# KiCad board Karnix_ASB.kicad_pcb (continued)
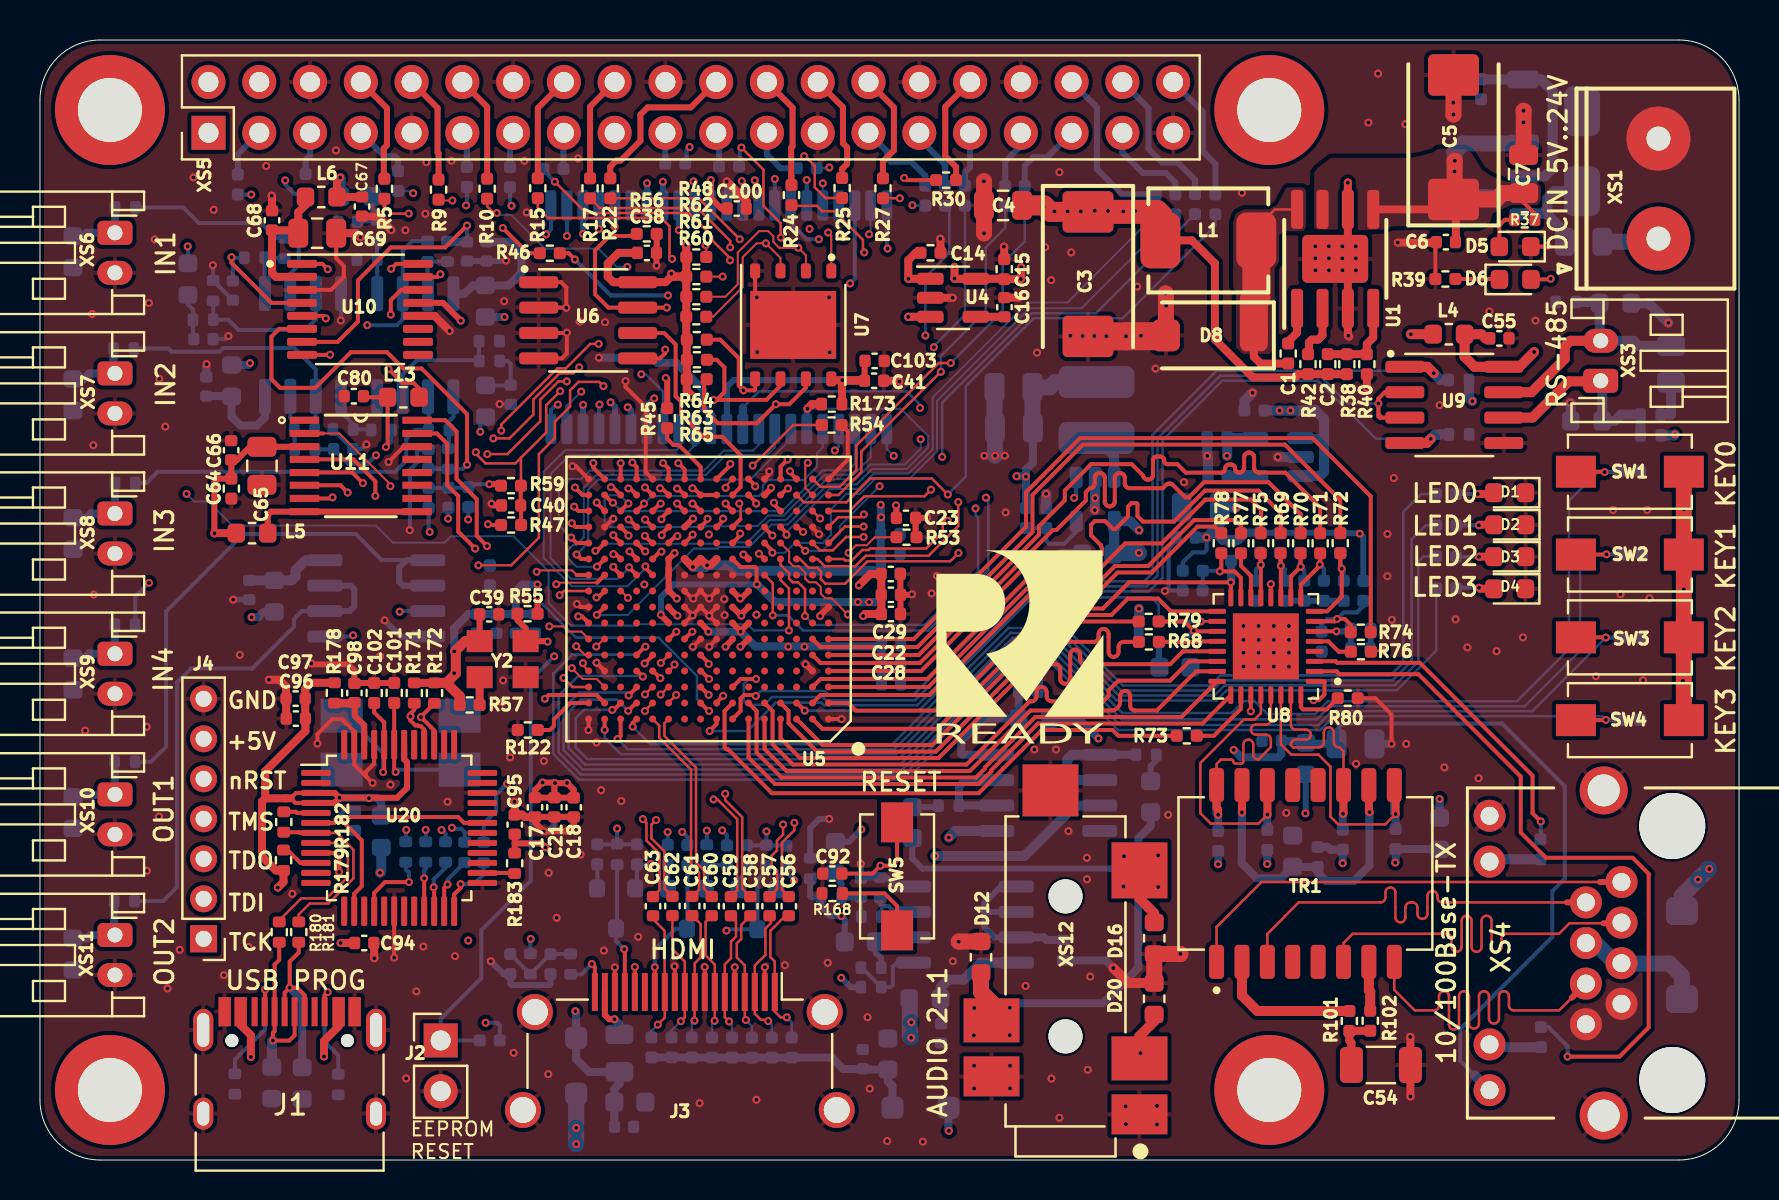
[diagram p0: board, top side]
## Nets (continued)
Net-(D4-A): D4.2 R20.2
Net-(D5-A): D5.2 R37.2
Net-(D6-K): D6.1 R39.1
Net-(D7-A): D7.2 Q1.1 R41.1
Net-(D8-K): C1.2 D8.1 L1.2 U1.8
Net-(D9-A): D9.2 F1.1 Q1.2
Net-(D23-A): D23.2 XS4.4 XS4.5
Net-(D28-A): D28.2 J1.A7 J1.B7 R180.1
Net-(D29-A): D29.2 J1.A6 J1.B6 R181.1
Net-(J1-CC1): J1.A5 R176.1
Net-(J1-CC2): J1.B5 R174.1
Net-(J3-+5V): F2.2 J3.18
Net-(J3-CK+): C62.2 J3.10 R111.2
Net-(J3-CK-): C63.2 J3.12 R110.2
Net-(J3-D0+): C60.2 J3.7 R113.2
Net-(J3-D0-): C61.2 J3.9 R112.2
Net-(J3-D1+): C58.2 J3.4 R115.2
Net-(J3-D1-): C59.2 J3.6 R114.2
Net-(J3-D2+): C56.2 J3.1 R117.2
Net-(J3-D2-): C57.2 J3.3 R116.2
Net-(J3-HPD/HEAC-): J3.19 R121.2
Net-(L17-Pad1): L17.1 R96.1 R97.1 R98.1 R99.1 R100.1
Net-(Q2-G): Q2.1 R120.2
Net-(Q2-S): Q2.2 R154.2 R155.1
Net-(Q3-G): Q3.1 R118.2
Net-(Q4-G): Q4.1 R161.2
Net-(R101-Pad1): R101.1 TR1.2
Net-(R102-Pad1): R102.1 TR1.7
Net-(R103-Pad2): R103.2 XS4.12
Net-(R106-Pad1): R106.1 R107.1
Net-(R123-Pad1): R123.1 R125.2 U12.1
Net-(R124-Pad1): R124.1 R126.2 U13.1
Net-(R135-Pad1): R135.1 R139.2 U12.7
Net-(R136-Pad1): R136.1 R140.2 U13.7
Net-(R147-Pad1): R147.1 R148.2 U16.1
Net-(R168-Pad1): R168.1 SW5.2
Net-(TR1-Pad1): TR1.1 XS4.1
Net-(TR1-Pad3): TR1.3 XS4.2
Net-(TR1-Pad6): TR1.6 XS4.3
Net-(TR1-Pad8): TR1.8 XS4.6
Net-(U1-BOOT): C1.1 U1.1
Net-(U1-FB): C2.2 R38.2 R40.1 U1.4
Net-(U2-FB): R43.2 R44.1 U2.5
Net-(U2-SW): L2.1 U2.3
Net-(U3-BP): C13.1 U3.4
Net-(U4-BP): C16.1 U4.4
Net-(U5B-PT38A): R55.1 U5.B9
Net-(U5G-CFG_0): R54.1 U5.N10
Net-(U5G-CFG_1): R48.2 U5.P10
Net-(U5G-CFG_2): R53.1 U5.R10
Net-(U5G-DONE): R46.2 U5.P9
Net-(U5G-INITN): R45.2 U5.T9
Net-(U8-CRS): R77.2 U8.14
Net-(U8-LED1/~{REGOFF}): R81.1 U8.3
Net-(U8-nRST): C48.1 R79.2 R88.2 U8.19
Net-(U8-RBIAS): R80.1 U8.32
Net-(U8-RXDV): R73.2 U8.26
Net-(U8-TXCLK): R68.2 U8.20
Net-(U8-VDDCR): C44.1 C45.1 U8.6
Net-(U8-XTAL1/CLKIN): R76.1 U8.5
Net-(U9-VCC): C55.1 L4.1 R105.1 U9.8
Net-(U10-VA): C68.1 C69.1 L6.1 U10.2
Net-(U11-VREFABCD): L5.2 U11.8 U11.9
Net-(U12A-+): R131.2 R133.2 U12.3
Net-(U12A--): R123.2 R129.2 U12.2
Net-(U12B-+): R143.2 R145.2 U12.5
Net-(U12B--): R135.2 R141.2 U12.6
Net-(U12C-V+): C70.1 L7.1 U12.8
Net-(U13A-+): R132.2 R134.2 U13.3
Net-(U13A--): R124.2 R130.2 U13.2
Net-(U13B-+): R144.2 R146.2 U13.5
Net-(U13B--): R136.2 R142.2 U13.6
Net-(U13C-V+): C71.1 L8.1 U13.8
Net-(U14A--): R127.2 U14.1 U14.2
Net-(U14B--): R137.2 U14.6 U14.7
Net-(U14C-V+): C72.1 L9.1 U14.8
Net-(U15A--): R128.2 U15.1 U15.2
Net-(U15B--): R138.2 U15.6 U15.7
Net-(U15C-V+): C73.1 L10.1 U15.8
Net-(U16A-+): R150.2 R151.2 U16.3
Net-(U16A--): C85.2 R147.2 U16.2
Net-(U16B-+): R156.2 U16.5 U16.6 U16.7
Net-(U16C-V+): C84.1 L15.1 U16.8
Net-(U20-3V3OUT): C99.1 U20.6 U20.14 U20.31
Net-(U20-ADBUS0): R163.1 U20.24
Net-(U20-ADBUS1): R164.1 U20.23
Net-(U20-ADBUS2): R165.1 U20.22
Net-(U20-ADBUS3): R167.1 U20.21
Net-(U20-ADBUS7): R166.1 U20.16
Net-(U20-AVCC): C98.1 R178.2 U20.46
Net-(U20-SI/WU_A): R179.1 U20.10
Net-(U20-SI/WU_B): R183.1 U20.26
Net-(U20-XTIN): C101.1 U20.43 Y1.1
Net-(U20-XTOUT): C102.1 U20.44 Y1.3
Net-(U20-~{RSTOUT}): R182.2 U20.5
Net-(XS5-Pin_3): R3.1 XS5.3
Net-(XS5-Pin_5): R4.2 XS5.5
Net-(XS5-Pin_7): R6.1 XS5.7
Net-(XS5-Pin_8): R5.1 XS5.8
Net-(XS5-Pin_10): R9.2 XS5.10
Net-(XS5-Pin_11): R11.1 XS5.11
Net-(XS5-Pin_12): R10.2 XS5.12
Net-(XS5-Pin_13): R12.1 XS5.13
Net-(XS5-Pin_15): R16.1 XS5.15
Net-(XS5-Pin_16): R15.1 XS5.16
Net-(XS5-Pin_18): R17.1 XS5.18
Net-(XS5-Pin_19): R18.1 XS5.19
Net-(XS5-Pin_21): R21.2 XS5.21
Net-(XS5-Pin_22): R22.1 XS5.22
Net-(XS5-Pin_23): R23.2 XS5.23
Net-(XS5-Pin_24): R24.1 XS5.24
Net-(XS5-Pin_26): R25.2 XS5.26
Net-(XS5-Pin_27): R26.1 XS5.27
Net-(XS5-Pin_28): R27.2 XS5.28
Net-(XS5-Pin_29): R28.2 XS5.29
Net-(XS5-Pin_31): R29.1 XS5.31
Net-(XS5-Pin_32): R30.1 XS5.32
Net-(XS5-Pin_33): R31.2 XS5.33
Net-(XS5-Pin_35): R33.2 XS5.35
Net-(XS5-Pin_36): R32.1 XS5.36
Net-(XS5-Pin_37): R34.2 XS5.37
Net-(XS5-Pin_38): R35.2 XS5.38
Net-(XS5-Pin_40): R36.2 XS5.40
Net-(Y2-EN): R57.2 Y2.1

Pads without a net: J1 A8 B8; J3 14; TR1 4 5 12 13; U5 A9 A10 B10 C3 C4 C5 C6 C8 C10 C14 D3 D4 D5 D6 D7 D8 D10 D14 E3 E4 E5 E6 E7 E8 E10 E14 E15 F3 F4 F5 F12 F13 F14 G1 G2 G3 G4 G5 G12 G13 G14 G15 H2 H3 H4 H5 H12 H13 H14 J1 J2 J3 J4 J5 J12 J13 K1 K2 K3 M6 M8 M9 N6 P3 P5 P6 P8; U8 4; U10 9 10 11; U11 1 10 11 12 13; U20 1 2 11 12 13 15 17 19 20 27 28 29 30 32 33 35 36 37 38 41 48; U21 28; Y1 2 4

## Via types
v1: diameter 0.4, hole 0.2, Top to Bottom, 696 vias

## Routing (per net, layer and track width the routed paths; a pad name or vN(x,y) marks a point on that pad's centre or on a via; arc(x,y) is an arc through that point)
+1V1: length 57.3
  Top w0.3: 35.05,26.45 v1(35.05,26.41) 35.05,26.45 ; 35.05,26.45 U5.G6 ; 35.05,26.45 U5.G7 ; U5.G9 33.44,26.46 v1(33.44,26.41)
  Top w0.4: U5.L10 32.65,29.65 v1(32.67,29.65) 32.67,29.67 U5.L9 33.36,29.74 v1(33.37,29.74) 33.54,29.74 U5.L8
  In3.Cu w0.4: v1(49.33,34.17) 49.31,34.19 v1(48.86,34.19) 43.49,34.19 v1(42.06,32.76) 42.06,32.16 v1(42.08,32.14) 42.08,30.85 39.64,28.4 39.64,26.85 38.46,25.68 ; 38.46,25.68 37.45,25.68 v1(37.43,25.67) ; 38.46,25.68 38.26,25.68 v1(38.24,25.67)
  Bottom w0.4: C34.1 42.06,31.3 v1(42.06,32.76) ; C34.1 42.06,30.31 C33.1 42.07,29.33 C32.1 ; C34.1 42.06,32.12 v1(42.08,32.14) ; C12.1 49.67,34.86 49.33,34.52 v1(49.33,34.17) ; v1(33.44,26.41) v1(35.05,26.41) 35.78,25.68 42.06,25.68 C36.1 42.1,24.3 ; v1(49.33,34.17) 49.31,34.19 v1(48.86,34.19) ; v1(49.33,34.17) R43.1 ; 42.1,24.3 C35.1
  Bottom w0.5: v1(32.67,29.65) 33.28,29.65 v1(33.37,29.74) 34.5,29.74 34.78,29.46 42.07,29.46 C33.1
  Bottom w0.8: C12.1 49.65,36.62 C11.1 50.51,38.63 50.78,38.9 L2.2
+2V5: length 45.8
  Top w0.2: U5.G11 31.45,26.87 ; v1(35.87,28.78) 35.85,28.8 35.85,29.57 35.77,29.65 35.05,29.65 U5.L7
  Top w0.3: 31.45,26.87 31.43,26.87 31.07,27.24 v1(31.07,27.26)
  In3.Cu w0.5: v1(40.92,27.9) 40.92,27.9 v1(41.48,27.9) 44.9,31.32 51.74,31.32 ; v1(59.38,35.21) 59.38,34.73 56.2,31.54 56.2,30.07 55.52,29.39 53.55,29.39 51.74,31.2 51.74,31.32 ; 51.74,31.32 v1(51.74,33.1)
  Bottom w0.2: v1(51.74,33.1) 51.84,33.21 U2.1
  Bottom w0.3: v1(35.87,28.78) 31.71,28.78 31.07,28.14 v1(31.07,27.26)
  Bottom w0.4: v1(35.87,28.78) 35.88,28.78 36.77,27.9 42.09,27.9 ; 42.09,28.25 42.09,27.9 ; 42.09,27.9 42.09,27.32 C30.1
  Bottom w0.5: U3.5 59.43,36.1 C9.1 59.39,35.22 v1(59.38,35.21)
+3V3: length 145.2
  Top w0.2: v1(22.41,31.79) 22.45,31.75 R47.1 ; v1(17.44,39.55) 18.13,38.86 18.69,38.86 18.97,38.57 18.97,38.14 ; v1(31.83,26.41) 31.81,26.41 U5.F11 ; U8.12 61.58,28.79 v1(61.58,28.8) ; U5.F7 34.65,26.04 ; U5.F10 32.61,26.41 v1(32.64,26.41) ; v1(23.15,46.6) 24.42,45.34 R46.1 ; U5.H11 31.45,27.63
  Top w0.3: v1(25.77,18.84) 25.73,18.82 C21.1 ; v1(25.77,18.84) 25.73,18.88 v1(25.14,18.88) 24.77,18.5 C17.1 C21.1 ; v1(25.77,18.84) 26.36,18.84 v1(26.36,18.86) 26.7,18.52 C18.1 C21.1 ; 41.26,39.96 41.26,38.97 C41.1 ; U5.J11 31.47,28.45 ; 31.47,28.45 31.45,28.47 31.45,29.57 ; 31.47,28.45 31.85,28.07 v1(31.86,28.07) ; v1(21.05,41.97) 20.16,42.86 U10.13 ; 34.36,47.58 34.08,47.58 33.55,48.1 v1(33.55,49) ; v1(8.72,31.33) 8.72,33.89 8.91,34.07 C64.1 9.57,34.98 9.56,34.99 9.84,34.99 10.51,35.66 C65.1 13.22,35.66 U11.3 ; Y2.4 21.99,25.94 C39.1 ; v1(35.04,25.66) 35.06,25.66 U5.F6 ; v1(31.31,39.1) 31.38,39.03 R45.1 ; 31.45,29.57 U5.L11 v1(31.75,30.35) ; 31.45,29.57 U5.K11 ; U5.J7 v1(35.03,28.07) 35.07,28.07 U5.J6 ; v1(22.48,33.79) 22.99,33.79 R59.1 ; 34.65,26.04 34.3,25.68 v1(34.3,25.66) ; 31.45,27.63 31.86,27.21 v1(31.89,27.21) ; U5.L6 35.23,30.27 v1(35.19,30.27) ; U5.H6 35.09,27.29 v1(35.09,27.21) 35.09,27.21 U5.H7 ; v1(42.83,32.73) 42.84,32.71 42.84,32.11
  Top w0.4: R62.1 R61.1 32.33,42.17 R60.1 32.33,41.05 R64.1 32.36,40.02 R63.1 32.36,39.05 R65.1 32.36,38.48 32.59,38.24 v1(32.59,38.13) ; R62.1 31.58,44.17 31.3,43.89 U6.8 28.68,43.89 28.4,44.17 28.4,44.82 28.94,45.36 C38.1 ; R62.1 31.73,44.17 v1(31.58,44.32) ; R62.1 R48.1 32.33,45.76 v1(32.33,45.76) ; R171.2 19.73,23.86 R172.2 ; v1(49.09,44.64) 49.09,44.07 v1(49.07,44.05) 49.06,44.04 C15.1 48.22,44.06 U4.5 45.76,44.06 v1(45.75,44.07) v1(45.75,44.66) ; v1(41.18,27.2) 41.28,27.3 C28.1 C22.1 42.09,29.3 C29.1 41.54,29.3 v1(40.97,28.73) ; 16.11,48.17 16.09,48.15 L6.2 14.86,48.96 v1(15.02,49.12) ; v1(8.72,31.33) 8.74,31.34 L5.1 ; U7.8 39.65,38.99 41.22,38.99 C41.1 40.17,38.96 v1(40.14,38.99) 40.12,38.97 R173.2
  Top w0.5: R57.1 20.99,23.2 20.34,23.86 ; 20.34,23.86 20.8,24.32 20.8,25.47 21.27,25.94 Y2.4 ; 20.34,23.86 R172.2
  Top w0.8: SW4.1 SW3.1 SW2.1 SW1.1
  In3.Cu w0.4: 49.07,44.62 v1(49.09,44.64)
  Bottom w0.2: 28.87,15.78 v1(28.87,16.57) ; 28.87,15.78 R159.1 ; 28.87,15.78 R118.1 ; 36.34,15.73 36.34,15.73 R161.1 ; 36.34,15.73 37.32,15.73 R119.1 ; 36.34,15.73 v1(36.34,16.43) ; R120.1 31.4,16.4 v1(31.4,16.4) ; v1(22.3,6.86) 22.88,6.86 23,6.74 R58.1 ; L11.2 7.4,45.67 v1(7.39,45.68) ; v1(22.48,33.79) 21.58,33.79 R50.1 21.4,33.62 R49.1 20.42,33.61 R51.1 ; R87.1 57.17,29.88 57.67,30.38 58.26,30.38 58.36,30.48 v1(58.36,31.12) ; 15.04,49.1 v1(15.02,49.12) ; L12.2 22.02,36.89 v1(22.02,36.41) ; 33.36,15.75 33.36,16.47 v1(33.36,16.47)
  Bottom w0.3: R85.1 66.2,31.15 v1(66.03,31.32) 66.01,31.34 R84.1 65.06,31.36 R83.1 R82.1 61.05,31.36 R86.1 ; L16.2 40.48,15.92 v1(41.09,16.53) ; v1(25.77,18.84) 25.73,18.82 C25.1 ; v1(33.55,49) 33.56,48.99 U21.33 ; L3.2 63.32,17.34 v1(63.31,17.34) ; C24.1 26.69,18.53 v1(26.36,18.86) ; v1(40.14,38.99) 34.7,38.99 34.36,38.66 U21.11
  Bottom w0.4: C19.1 C26.1 ; C26.1 23.8,28.44 24.13,28.77 v1(24.89,28.77) ; C26.1 C20.1 C27.1 21.43,27.3 20.72,26.59 20.72,26.59 v1(20.72,25.43) ; v1(45.47,1.46) 45.45,1.48 D21.2 ; L17.2 v1(70.02,18.05) ; 58.67,31.44 59.14,30.97 R66.1 59.94,30.97 60.34,31.37 R86.1
  Bottom w0.5: v1(54.98,27.57) 54.98,26.95 R67.1 54.97,25.91 R88.1 ; L14.2 15.04,49.1 ; R104.1 71.49,38.11 v1(71.66,37.94) ; 59.84,32.64 59.02,32.64 59.02,31.78 v1(58.36,31.12) 57.8,31.12
  vias: v1(20.72,24.34) v1(59.83,32.6) v1(82.24,32.54) v1(82.24,28.53) v1(82.2,23.96)
+3V3_HDMI: length 14.1
  Bottom w0.4: D21.1 42.65,3.7 42.42,3.93 C89.1 41.18,4.53 41.16,4.55 40.18,4.55 39.61,5.12 R117.1 R116.1 35.62,5.12 R115.1 34.62,5.12 R114.1 R113.1 32.62,5.12 R112.1 R111.1 R110.1
+5V: length 360.9
  Top w0.2: v1(75.58,44.06) 75.55,44.03 D6.2
  Top w0.4: U4.3 43.45,42.16 v1(43.44,42.15) ; C14.1 43.81,45.36 43.44,44.99 v1(43.44,44.06) U4.1 ; J1.A9 14.94,6.68 14.21,5.95 v1(14.21,5.18) ; v1(10.55,5.15) 10.55,6.24 10.05,6.74 10.05,7.41 J1.A4 ; L1.1 57.63,45.98 58.78,44.83 58.78,41.03 60.68,39.13 62.8,39.13 62.96,39.29 64.42,39.29 C2.1 64.43,39.29 R38.1
  Top w0.5: L4.2 v1(68.58,41.29)
  Top w1: C4.1 50.23,47.73 50.55,47.41 52.43,47.41
  Top w1.2: 52.43,47.41 55.86,47.41 56.05,47.22 L1.1
  In3.Cu w0.2: v1(68.58,41.29) 68.58,41.35 70.91,43.68 75.2,43.68 v1(75.58,44.06)
  In3.Cu w0.4: v1(14.21,5.18) 10.58,5.18 v1(10.55,5.15) ; v1(23.24,42.15) 21.6,40.51 17.09,40.51 15.96,39.38 10.97,39.38 v1(10.51,39.84) 9.54,39.84 8.58,40.8 0.94,40.8 ; v1(68.58,41.29) 67.23,41.29 63.41,37.47 v1(62.56,37.47) ; v1(43.59,6.89) 48.65,6.89 52.95,11.19 v1(52.95,21.08)
  In3.Cu w0.5: 13.31,5.18 13.31,8.12 17.01,11.82 v1(17.01,14.36) ; J4.6 7.23,22.02 6.71,22.02 5.6,23.13 5.6,27.14 ; v1(62.56,37.47) v1(62.02,37.47) ; 5.6,27.14 1.24,27.14 0.94,26.84 ; 5.6,27.14 v1(10.59,27.14)
  In3.Cu w0.7: 8.2,53.9 6.92,52.62 6.92,50.44 6.65,50.17
  In3.Cu w0.8: v1(26.83,0.8) 26.83,1.6 v1(26.83,1.6) ; 56.1,47.43 v1(54.19,47.43) ; 56.1,47.43 57.83,45.69 57.83,39.29 56.52,37.98 ; 56.1,47.43 58.06,49.4 58.06,54.47 57.24,55.29 12.36,55.29 XS5.4 XS5.2 8.2,53.9 ; v1(54.19,47.43) v1(50.75,47.43) 50.44,47.43 v1(50.21,47.66) 45.14,47.66 43.42,45.95 43.42,44.08 v1(43.44,44.06) v1(43.44,42.15) ; v1(54.19,47.43) 54.21,47.45 v1(54.8,47.45) ; 13.33,0.8 40.99,0.8 43.59,3.4 43.59,6.11 v1(43.59,6.11) v1(43.59,6.89) ; 13.33,0.8 13.31,0.81 13.31,5.18 ; 13.33,0.8 7.53,0.8 7,1.32 7,5.07 4.9,7.17 1.68,7.17 0.94,7.91 0.94,47.51 1.85,48.42 4.9,48.42 6.65,50.17 ; v1(62.02,37.47) 57.04,37.47 56.52,37.98 ; v1(54.98,30.36) v1(54.98,31.49) 54.98,36.43 56.52,37.97 56.52,37.98
  Bottom w0.4: L7.2 10.42,39.75 v1(10.51,39.84) ; 64.24,35.98 64.12,36.1 U3.1 ; v1(52.95,21.08) 51.95,22.08 L9.2 ; L10.2 11.18,27.41 10.91,27.14 v1(10.59,27.14) ; L8.2 v1(23.24,42.15)
  Bottom w0.5: v1(54.98,31.49) 54.54,31.93 U2.4 53.74,30.35 C10.1 ; v1(17.01,14.36) 17.07,14.42 L23.2 ; U3.3 64.03,34.2 64.24,34.42 64.24,37.05 63.8,37.49 63.78,37.47 v1(62.02,37.47) C8.1
  Bottom w0.8: D22.2 26.82,0.8 v1(26.83,0.8) ; L15.2 43.52,8.03 43.52,6.19 v1(43.59,6.11) ; C10.1 53.74,30.36 v1(54.98,30.36)
  vias: v1(51.42,47.43) v1(52.07,47.43) v1(52.77,47.46) v1(53.43,47.45)
+5V_HDMI: length 19.6
  In3.Cu w0.2: v1(32.13,16.4) 32.13,15.21 26.78,9.87 v1(26.78,7.44)
  Bottom w0.2: v1(32.13,16.4) 32.39,16.14 R158.1
  Bottom w0.4: v1(26.78,7.44) 26.82,7.4 D22.1 26.82,5.05 27.46,4.41 F2.1 28.99,3.81 28.73,3.56 C90.1 28.73,1.67 C91.1
+24V: length 21.4
  Top w0.2: C7.1 74.22,47.88 74.78,47.32 74.78,47.01
  Top w0.4: 70.83,45.89 70.83,47.91 C5.1 70.22,47.53 U1.5
  Top w0.8: C7.1 73.18,48.35 72.86,48.03 C5.1 70.77,48.08 70.77,49.95 v1(70.78,49.96)
  Bottom w0.6: Q1.3 71.02,48.23 70.76,48.49 70.76,49.94 v1(70.78,49.96)
  Bottom w0.8: D7.1 71.19,50.83 70.77,50.41 v1(70.77,49.42)
GND: length 194.4
  Top w0.2: U5.T1 40.41,35.01 40.41,36.45 R54.2 ; 32.65,27.25 v1(32.65,27.22) ; 32.65,27.25 U5.H10 ; 32.65,27.25 v1(32.65,27.22) ; 32.65,27.25 U5.H9 33.48,27.22 v1(33.48,27.21) ; v1(32.65,27.22) 32.62,27.22 U5.G10 ; v1(31.74,9.68) 31.76,9.67 J3.11 ; 69.83,45.89 69.81,45.87 R39.2 ; U10.3 14.56,43.51 14.82,43.77 14.82,43.77 15.2,44.15 15.2,44.7 14.82,45.08 C69.2 ; U20.9 14.7,15.35 14.96,15.09 v1(14.96,14.4) ; U5.D15 28.25,24.46 v1(27.84,24.87) ; v1(26.86,27.8) 27.02,27.65 U5.H16 ; U5.A16 27.45,21.51 v1(27.44,21.5) ; v1(35.87,43.13) 35.78,43.22 U7.4 ; v1(33.48,27.21) 33.49,27.21 U5.G8 ; v1(33.48,27.21) 33.48,27.28 U5.H8 ; 16.3,19.19 15.72,19.77 U20.47 15.72,21.43 15.11,22.04 14.63,22.04 13.88,21.29 v1(13.88,20.82) 13.88,20.79 ; 16.3,19.19 v1(16.64,18.85) ; 16.3,19.19 16.3,19.41 16.72,19.82 U20.45 ; U6.1 26.07,43.89 26.33,43.64 v1(26.33,42.61) 26.32,42.62 U6.2 ; U5.F8 33.48,25.68 v1(33.48,25.66) ; J3.17 v1(28.76,9.63) ; U5.J8 33.48,28.08 v1(33.48,28.07) 33.43,28.07 U5.J9 32.68,28.08 v1(32.68,28.07) 32.63,28.07 U5.J10 ; v1(32.66,25.66) 32.66,25.66 U5.F9 ; v1(36.48,34.43) 36.48,34.28 U5.T5 ; J3.8 v1(33.26,9.65) ; D5.1 75.36,45.67 v1(75.41,45.71) ; U5.N2 38.65,31.61 v1(38.97,31.29) ; v1(67.61,20.81) 67.61,22.28 66.8,23.09 R80.2 ; 18.14,35.67 U11.14 18.21,35.67 v1(17.44,34.9) ; v1(28.68,32.06) 28.66,32.06 U5.N15 ; v1(26.64,34.69) 26.81,34.69 U5.T16 ; v1(40.1,22.05) 40.1,22.05 U5.A1 ; U5.T12 30.3,34.4 30.3,37.65 29.3,38.65 v1(29.3,38.95) ; U6.3 26.35,41.35 v1(26.36,41.37) 26.36,40.33 26.11,40.08 U6.4 ; J3.2 v1(36.26,9.64) ; J3.5 v1(34.76,9.64) ; U20.18 v1(17.72,10.12)
  Top w0.3: v1(43.63,28.28) 43.6,28.26 C22.2 ; U5.H1 39.03,27.23 v1(39.03,27.2) ; C22.2 43.05,28.27 C29.2 ; C22.2 C28.2 ; C101.2 17.72,23.85 C102.2 15.73,23.85 15.73,24.47 15.42,24.78 13.62,24.78 v1(13.57,24.83) ; v1(44.38,32.12) 44.36,32.11 C23.2 43.8,31.19 R53.2 ; R56.2 30.85,45.37 30.84,45.36 30.84,44.72 v1(30.84,44.72) ; U5.D2 38.64,24.45 v1(38.3,24.79) ; v1(22.6,32.81) 22.68,32.73 C40.2 ; v1(25.2,16.44) 26.37,16.44 v1(26.39,16.45) 26.7,16.77 C18.2 C21.2 C17.2 24.77,16.88 v1(25.2,16.44)
  Top w0.4: v1(49,43.15) 48.97,43.12 C16.2 ; 11.61,47.48 11.61,48.2 v1(11.59,48.22) ; 16.72,10.85 16.72,10.1 v1(16.73,10.09) ; U10.12 19.74,42.21 v1(20.49,41.46) ; 35.36,47.58 35.36,47.94 34.37,48.93 v1(34.36,48.93) ; v1(48.22,45.67) 48.24,45.65 C15.2 ; 16.11,47.17 16.9,47.17 v1(17.58,46.5) ; C96.2 12.32,23.06 C97.2 12.31,23.67 11.97,24.01 v1(11.45,24.01) ; v1(42.99,38.93) 42.95,38.96 C41.2 ; v1(68.56,3.18) 68.56,3.19 C54.2 68.56,6.15 v1(68.55,6.16) ; v1(65.43,48.87) 65.43,48.87 U1.6 65.43,45.69 U1.9 65.43,44.42 U1.3 65.43,41.24 v1(65.46,41.21) 65.5,41.17 ; v1(23.74,17.91) 23.75,17.9 23.75,17.27 24.12,17.27 24.24,17.16 C17.2 ; U4.2 v1(45.66,43.11) ; v1(66.39,38.61) 66.38,38.62 R40.2 ; v1(16.03,46.14) 15.83,46.34 C69.2 ; 69.83,45.89 69.81,45.87 v1(67.93,45.87) ; v1(45.04,46.06) 45.05,46.05 C14.2
  Top w0.5: v1(53.7,9.6) 54.45,8.85 D20.1
  Top w0.8: v1(56.31,43.33) 56.33,43.31 D8.2 56.29,41.19 ; v1(47.22,48.94) 47.23,48.93 C4.2 v1(47.23,46.33) ; 54.32,41.18 v1(54.33,41.19) ; v1(57.05,10.31) 57.05,10.3 D16.2 55.74,8.86 D20.1 ; 47.08,10.93 45.98,10.93 v1(45.96,10.92) ; v1(70.71,52.28) 70.71,52.28 C5.2 ; C7.2 74.22,52.46 v1(74.22,52.46)
  Top w1.4: v1(54.33,41.19) 56.29,41.19 ; C3.2 54.32,41.18
  Bottom w0.2: v1(9.42,41.2) 9.27,41.04 C76.1 ; v1(18.5,31.49) 18.51,31.5 18.51,34.51 18.86,34.87 18.86,35.43 18.96,35.53 C75.2 ; R145.1 14.67,36.52 C78.2 16.09,35.54 v1(16.33,35.78) ; C77.1 23.54,37.8 v1(22.99,37.8) ; C74.2 8.67,43.97 R133.1 8.66,44.73 v1(8.65,44.74) ; 15.06,43.33 15.06,41.99 v1(15.05,41.98) ; C43.2 56.83,30.96 56.46,30.58 56.46,28.63 v1(56.28,28.45) 56.3,28.47 R95.2
  Bottom w0.3: v1(34.36,48.93) 34.36,48.92 U21.34 ; U15.4 18.05,26.18 v1(17.24,26.98) ; R149.1 38.53,16.6 38.99,17.06 v1(39.48,17.06) ; v1(9.67,28.02) 9.67,28.02 C73.2 ; v1(22.55,9.94) 23.2,9.3 C87.2 23.53,8.81 23.6,8.75 25.49,8.75 25.54,8.79 R152.1 ; R89.2 R90.2 R91.2 R92.2 ; v1(25.2,16.44) 25.41,16.44 25.73,16.76 C25.2 26.67,17.16 C24.2 26.69,16.76 v1(26.39,16.45) ; v1(41.06,14.81) 41.06,14.1 C86.1 41.11,14.12 R151.1 42.37,14.12 42.81,13.68 U16.4 ; v1(23.31,44.97) 23.29,44.95 C71.2 22.33,44.94 C79.2 ; C45.2 66.57,25.62 C44.2
  Bottom w0.4: U21.12 33.56,37.27 33.16,37.67 33.16,38.54 31.84,39.86 30.88,39.86 30.62,40.12 v1(27.96,40.12) ; v1(53.7,9.6) 53.32,9.98 R156.1 ; C46.2 67.61,20.81 v1(67.61,20.81) ; C70.2 8.32,39.78 v1(8.33,39.79)
  Bottom w0.5: v1(49.94,24.28) 49.93,24.27 C72.2 ; v1(76.55,37.87) 76.58,37.84 D10.1 ; C8.2 60.26,37.96 v1(60.66,38.36) ; v1(52.77,32.49) 52.77,33.08 v1(52.79,33.09) U2.2 ; U3.2 v1(61.93,35.15) ; v1(50.33,33.31) 50.35,33.29 R44.2 ; v1(51.16,30.31) 51.17,30.3 C10.2 ; v1(81.46,41.86) 80.48,42.84 D11.1 ; C13.2 58.43,35.17 v1(58.4,35.21) 58.39,35.21 C9.2
  Bottom w0.8: v1(47.78,35.22) 47.77,35.23 C12.2 47.75,36.62 C11.2
  vias: v1(2.26,21.47) v1(2.61,42.3) v1(2.67,35.74) v1(2.69,28.27) v1(5.34,21.66) v1(5.35,14.46) v1(5.45,42.85) v1(5.74,46.03) v1(5.95,17.18) v1(5.97,39.06) v1(6.27,36.67) v1(6.38,8.58) v1(6.99,10.51) v1(7.68,49.13) v1(8.69,47.51) v1(9.2,9.24) v1(9.99,25.26) v1(10.43,10.65) v1(11.32,49.7) v1(12.62,13.31) v1(14.81,50.48) v1(17.01,25.19) v1(17.54,18.77) v1(18.28,46.49) v1(18.32,4.08) v1(18.83,8.43) v1(19.18,10.67) v1(19.33,49.89) v1(19.28,47.31) v1(20.39,17.91) v1(20.59,49.96) v1(20.77,10.2) v1(23.14,22.88) v1(23.22,42.94) v1(23.17,23.98) v1(23.52,20.13) v1(23.7,5.36) v1(24.23,49.96) v1(24.35,47.38) v1(25.21,19.95) v1(25.45,14.36) v1(25.43,4.29) v1(25.85,12.11) v1(26.92,50.08) v1(27,41.92) v1(27.05,15.27) v1(27.84,20.87) v1(28.07,18.49) v1(28.21,10.47) v1(28.27,41.89) v1(29.08,17.95) v1(29.93,11.16) v1(33,2.84) v1(34.23,28.04) v1(34.25,27.24) v1(35.85,27.27) v1(35.84,3.01) v1(35.88,40.4) v1(37.27,9.74) v1(39.41,9.86) v1(39.48,43.13) v1(39.5,40.38) v1(41.4,7.14) v1(41.51,3.57) v1(42.38,0.95) v1(44.17,0.92) v1(44.61,28.33) v1(44.87,29.21) v1(45.67,9.94) v1(46.73,4.72) v1(46.73,3.58) v1(47.24,35.21) v1(48.27,35.22) v1(48.31,32.38) v1(48.53,4.72) v1(48.53,3.58) v1(49.31,8.7) v1(49.74,20.52) v1(49.88,40.37) v1(50.29,45.64) v1(50.59,43.99) v1(50.6,4.07) v1(50.83,20.52) v1(51,49.39) v1(51,2.11) v1(51.45,16.44) v1(51.55,41.21) v1(51.59,45.38) v1(52.16,41.2) v1(52.38,15.11) v1(52.38,14.04) v1(52.42,4.51) v1(52.54,9.17) v1(52.75,41.2) v1(53.35,41.19) v1(54.31,2.68) v1(54.33,1.8) v1(54.89,43.67) v1(55.08,41.21) v1(55.81,39.57) v1(55.88,2.7) v1(55.88,1.78) v1(56.34,42.72) v1(56.45,17.26) v1(57.23,33.89) v1(60.13,48.36) v1(60.21,26.7) v1(60.21,26.01) v1(60.21,25.37) v1(60.21,24.67) v1(60.97,26.7) v1(60.97,26.01) v1(60.97,25.37) v1(60.97,24.67) v1(61.73,26.7) v1(61.73,26.01) v1(61.73,25.37) v1(61.73,24.67) v1(62.35,17.36) v1(62.48,26.7) v1(62.48,26.01) v1(62.48,25.37) v1(62.48,24.67) v1(63.8,45.68) v1(63.8,45.09) v1(63.81,44.49) v1(64.48,45.68) v1(64.48,45.09) v1(64.49,44.49) v1(65.15,45.68) v1(65.15,45.09) v1(65.16,44.49) v1(65.83,45.68) v1(65.83,45.09) v1(65.83,44.49) v1(65.84,19.81) v1(66.46,51.87) v1(66.94,54.32) v1(67.41,31.3) v1(67.41,29.19) v1(67.63,27.01) v1(67.73,34.1) v1(68.31,51.79) v1(68.35,20.81) v1(70.02,37.74) v1(70.26,19.63) v1(70.7,52.87) v1(70.82,27.03) v1(71.41,25.63) v1(71.97,19.09) v1(72.51,42.43) v1(72.87,25.44) v1(74.22,51.88) v1(74.19,26.13) v1(74.82,41.97) v1(77.84,24.19) v1(78.7,32.5) v1(79.07,28.29) v1(80.2,23.99) v1(80.41,32.5) v1(80.52,28.09)
/Ethernet/COL: length 5
  Top w0.2: R78.2 59.1,29.5 v1(59.03,29.43) 59.76,29.43 60.08,29.11 U8.15
  Bottom w0.2: v1(59.03,29.43) 58.99,29.47 R87.2 58.17,28.48 R95.1
/Ethernet/RCLK: length 5.4
  Top w0.2: R74.2 65.58,26.76 65.28,27.05 v1(64.89,27.05) 64.77,26.93 U8.7
  Bottom w0.2: R93.1 64.11,26.76 64.4,27.05 v1(64.89,27.05) 65.22,27.38 65.89,27.38 66.2,27.7 R85.2
/Ethernet/RXD0: length 3.7
  Top w0.2: R69.2 62.07,29.72 v1(62.08,29.71) 62.08,29.71 U8.11
  Bottom w0.2: R82.2 62.02,29.77 v1(62.08,29.71) 62.27,29.52 R89.1
/Ethernet/RXD1: length 3.9
  Top w0.2: R70.2 v1(63.07,29.66) 62.58,29.17 U8.10
  Bottom w0.2: R90.1 63.25,29.48 v1(63.07,29.66) 63.02,29.71 R83.2
/Ethernet/RXD2: length 3.5
  Top w0.2: R71.2 64.05,29.79 v1(64.03,29.77) 64.03,29.72 63.08,28.77 U8.9
  Bottom w0.2: R91.1 64.23,29.57 v1(64.03,29.77)
/Ethernet/RXD3: length 5.3
  Top w0.2: U8.8 64.39,27.43 65.12,28.17 v1(65.12,29.57) 65.05,29.64 R72.2
  Bottom w0.2: R84.2 65.08,29.61 v1(65.12,29.57) 65.22,29.47 R92.1
/Ethernet/RXER: length 3.7
  Top w0.2: U8.13 61.08,29.75 v1(61.08,29.76) R75.2
  Bottom w0.2: R94.1 60.83,29.52 v1(61.08,29.76) 61.04,29.79 R86.2
/FDTI Programmer/FT_N: length 7.4
  Top w0.125: U20.8 14.82,15.85 15.41,15.27 15.41,14.16 14.33,13.08 13.07,13.08 11.97,11.98 R180.2
/FDTI Programmer/FT_P: length 9.1
  Top w0.125: U20.7 14.84,16.35 15.68,15.51 15.68,14.08 14.43,12.82 13.49,12.82 12.94,12.28 R181.2
  Top w0.2: R182.1 12.97,16.39 13.02,16.35 13.8,16.35 U20.7
ADC_SPI_CSn: length 27.2
  Top w0.1: v1(25.48,26.68) 26.17,26.68 26.43,26.42 27.08,26.42 U5.F16
  Top w0.2: v1(14.4,44.54) 14.13,44.81 U10.1
  In1.Cu w0.1: v1(25.48,26.68) 24.99,26.68 23.66,28.01 23.66,30.38 22.63,31.41 21.29,31.41 20.87,31.83 20.87,33.24 19.78,34.34 19.78,39.26 14.5,44.54 v1(14.4,44.54)
ADC_SPI_MISO: length 22.6
  Top w0.2: v1(26.93,27.18) 27.12,27.18 U5.G16 ; v1(20.03,44.29) 19.9,44.16 U10.15
  In1.Cu w0.1: v1(20.03,44.29) 20.03,41.18 20.72,40.49 20.72,34.42 21.95,33.19 23.16,33.19 25.1,31.25 25.1,30.33 26.26,29.18 26.26,28.71 ; v1(26.93,27.18) 26.45,27.66 26.45,28.41 26.26,28.59 26.26,28.71 ; 26.26,28.71 26.26,28.59
ADC_SPI_MOSI: length 24.5
  Top w0.1: U5.E16 27.27,25.25 v1(26.83,25.69)
  Top w0.2: v1(17.55,42.27) 17.55,42.99 18.07,43.51 U10.14
  In1.Cu w0.1: v1(17.55,42.27) 20.07,39.75 20.07,34.44 21.43,33.07 21.43,32.73 21.99,32.17 22.45,32.17 22.46,32.16 22.95,32.16 23.89,31.23 23.89,28.33 24.87,27.34 25.62,27.34 26.09,26.87 26.09,26.43 v1(26.83,25.69)
ADC_SPI_SCLK: length 26.3
  Top w0.1: v1(27.83,25.67) 28.21,26.05 U5.F15
  Top w0.2: U10.16 17.82,44.81 v1(17.57,44.56)
  In1.Cu w0.1: v1(17.57,44.56) 18.29,43.84 18.29,42.23 20.5,40.02 20.5,34.33 21.67,33.16 21.67,32.84 22.06,32.44 23.59,32.44 24.74,31.29 24.74,30.29 25.38,29.65 25.38,28.27 26.4,27.25 26.4,26.73 27.07,26.07 27.43,26.07 v1(27.83,25.67)
CLK: length 47.4
  Top w0.125: R76.2 66.63,25.46 v1(67.18,25.46)
  Top w0.3: v1(25.39,25.92) 25.37,25.94 Y2.3 24.3,26.58 23.89,26.99 R55.2
  In1.Cu w0.125: v1(67.18,25.46) 65.52,23.8 56.99,23.8 56.02,22.83 41.93,22.83 40.6,24.16 36.71,24.16 35.61,25.27 26.57,25.27 25.92,25.92 v1(25.39,25.92)
DAC_AUDIO_L: length 64.4
  Top w0.2: v1(15.39,33.37) 15.03,33.74 U11.6
  In1.Cu w0.2: v1(44.79,15.2) 42.9,13.32 38.93,13.32 38.38,12.77 38.38,9.79 37.65,9.06 25.82,9.06 22.87,12 22.87,17.61 20.3,20.18 19.14,20.18 15.09,24.24 15.09,26.86 15.39,27.17 v1(15.39,33.37)
  Bottom w0.5: v1(44.79,15.2) 49.25,15.2 51.77,17.72 U14.3
DAC_AUDIO_R: length 59.2
  Top w0.2: v1(14.63,33.13) 14.58,33.08 U11.7
  In1.Cu w0.2: v1(45.47,16.12) 45.51,16.08 45.51,14.63 43.81,12.94 39.22,12.94 38.74,12.46 38.74,9.63 37.76,8.65 25.67,8.65 22.52,11.8 22.52,17.51 20.29,19.73 19.14,19.73 14.63,24.23 v1(14.63,33.13)
  Bottom w0.5: v1(45.47,16.12) 45.8,16.45 U14.5
DAC_SPI_CSn: length 22.9
  Top w0.1: 14.17,36.33 14.17,36.33 14.98,36.33 17.53,33.78 v1(17.53,33.69) ; U5.C15 27.85,24.05 27.15,24.05 v1(26.61,24.59)
  Top w0.2: U11.2 14.17,36.33
  In1.Cu w0.1: v1(26.61,24.59) 24.67,24.59 23.44,25.83 23.44,30.29 22.53,31.19 20.6,31.19 18.1,33.69 v1(17.53,33.69)
DAC_SPI_MISO: length 3.3
  Top w0.2: R122.1 25.51,21.5 25.71,21.7 25.71,22.03 26.53,22.85 U5.B16
DAC_SPI_MOSI: length 19.9
  Top w0.2: U5.B15 27.85,23.25 25.45,23.25 v1(25.26,23.06) ; v1(21.77,30.57) 20.92,31.42 20.92,33.2 20.38,33.74 20.38,35.81 19.86,36.33 U11.15
  In1.Cu w0.125: v1(25.26,23.06) 24.91,23.06 22.85,25.12 22.85,29.49 v1(21.77,30.57)
DAC_SPI_SCLK: length 19.1
  Top w0.125: v1(26.19,24.1) 26.64,23.65 U5.C16
  Top w0.2: U11.16 20.27,36.99 20.84,36.42 20.84,34.05 21.85,33.05 21.85,31.21 v1(22.36,30.7)
  In1.Cu w0.125: v1(26.19,24.1) 24.56,24.1 23.18,25.48 23.18,29.88 v1(22.36,30.7)
DCIN: length 40.8
  In3.Cu w0.8: XS1.1 83.08,46.07 84.26,44.89 84.26,15.28 83,14.02 v1(82.95,14.02)
  Bottom w0.8: XS1.1 80.81,45.91 F1.2 ; D23.1 82.14,13.21 v1(82.95,14.02) 83.48,14.55 v1(83.51,14.55)
EEPROM_I2C_SCK: length 11.7
  Top w0.2: U6.6 31.22,41.35 31.8,40.78 31.8,38.19 32.07,37.92 32.07,37.27 33.18,36.16 34.13,36.16 35.05,35.24 35.05,33.65 U5.R7